# Altium PCB RF-BIG-DB5AT_v1.pcbdoc (part 3 of 7)
Units mm, origin at the board's own origin, x right, y up, seen from the top; angles counter-clockwise.
Board outline 281 x 128.57 mm, 2 copper layers (Top Layer, Bottom Layer), stack 1.671 mm thick; 500 components, 260 nets, 1552 pads, 9606 vias.
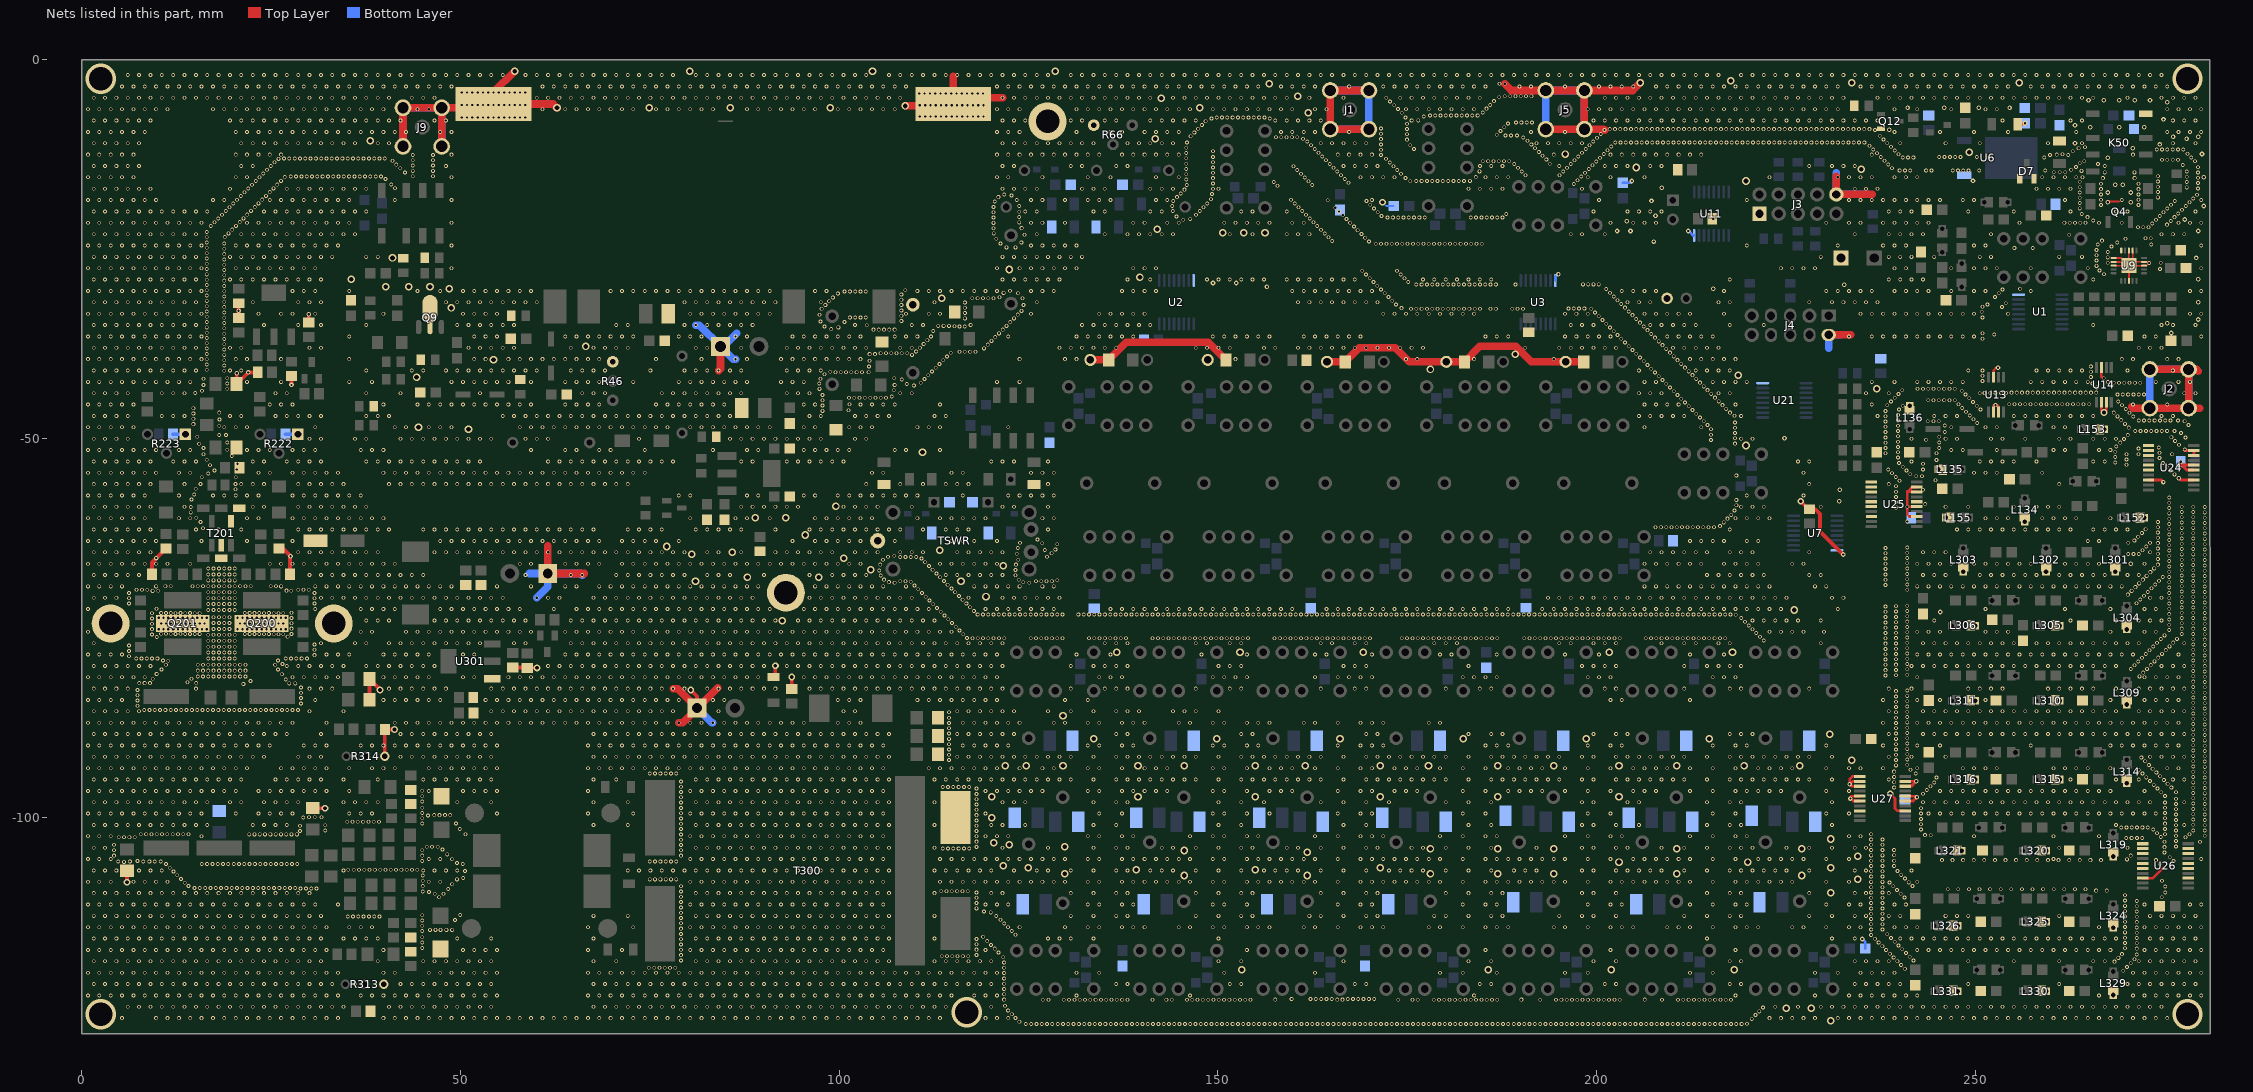
[diagram p3: the nets of this part, all layers, seen from the top]

## Via types
v1: diameter 0.5, hole 0.3, Top Layer to Bottom Layer, tented both sides, 9171 vias
v2: diameter 1, hole 0.61, Top Layer to Bottom Layer, 141 vias
v3: diameter 0.9, hole 0.5, Top Layer to Bottom Layer, 84 vias
v4: diameter 0.61, hole 0.305, Top Layer to Bottom Layer, 83 vias
v5: diameter 0.5, hole 0.3, Top Layer to Bottom Layer, tented bottom, 64 vias
v6: diameter 0.6, hole 0.3, Top Layer to Bottom Layer, 43 vias
v7: diameter 4, hole 3.1, Top Layer to Bottom Layer, 6 vias
v8: diameter 0.7, hole 0.3, Top Layer to Bottom Layer, 4 vias
v9: diameter 0.61, hole 0.306, Top Layer to Bottom Layer, 3 vias
v10: diameter 0.5, hole 0.305, Top Layer to Bottom Layer, 2 vias
v11: diameter 2, hole 1, Top Layer to Bottom Layer, 2 vias
v12: diameter 0.5, hole 0.3, Top Layer to Bottom Layer, 1 vias
v13: diameter 5, hole 3.1, Top Layer to Bottom Layer, 1 vias
v14: diameter 1, hole 0.4, Top Layer to Bottom Layer, 1 vias

## Nets (pads, with @x,y where several pads share a name; then routed paths per layer and width w, separated by ;. In a path a pad name is that pad's centre, name@x,y a point inside that pad or via, vN(x,y) a via of type N, cw(c..) or ccw(c..) an arc to the next point about the centre after c; other vN are vias at no path point) (continued)
GND: (continued)
  other v1: 124.637,-127.302 125.337,-127.302 126.037,-127.302 126.737,-127.302 127.437,-127.302 128.137,-127.302 128.837,-127.302 129.537,-127.302 130.237,-127.302 130.937,-127.302 131.637,-127.302 132.337,-127.302 133.037,-127.302 133.737,-127.302 134.437,-127.302 135.137,-127.302 135.837,-127.302 136.537,-127.302 137.237,-127.302 137.937,-127.302 138.637,-127.302 139.337,-127.302 140.037,-127.302 140.737,-127.302 141.437,-127.302 142.137,-127.302 142.837,-127.302 143.537,-127.302 144.237,-127.302 144.937,-127.302 145.637,-127.302 146.337,-127.302 147.037,-127.302 147.737,-127.302 148.437,-127.302 149.137,-127.302 149.837,-127.302 150.537,-127.302 151.237,-127.302 151.937,-127.302 152.637,-127.302 153.337,-127.302 154.037,-127.302 154.737,-127.302 155.437,-127.302 156.137,-127.302 156.837,-127.302 157.537,-127.302 158.237,-127.302 158.937,-127.302 159.637,-127.302 160.337,-127.302 161.037,-127.302 161.737,-127.302 162.437,-127.302 163.137,-127.302 163.837,-127.302 164.537,-127.302 165.237,-127.302 165.937,-127.302 166.637,-127.302 167.337,-127.302 168.037,-127.302 168.737,-127.302 169.437,-127.302 170.137,-127.302 170.837,-127.302 171.537,-127.302 172.237,-127.302 172.937,-127.302 173.637,-127.302 174.337,-127.302 175.037,-127.302 175.737,-127.302 176.437,-127.302 177.137,-127.302 177.837,-127.302 178.537,-127.302 179.237,-127.302 179.937,-127.302 180.637,-127.302 181.337,-127.302 182.037,-127.302 182.737,-127.302 183.437,-127.302 184.137,-127.302 184.837,-127.302 185.537,-127.302 186.237,-127.302 186.937,-127.302 187.637,-127.302 188.337,-127.302 189.037,-127.302 189.737,-127.302 190.437,-127.302 191.137,-127.302 191.837,-127.302 192.537,-127.302 193.237,-127.302 193.937,-127.302 194.637,-127.302 195.337,-127.302 196.037,-127.302 196.737,-127.302 197.437,-127.302 198.137,-127.302 198.837,-127.302 199.537,-127.302 200.237,-127.302 200.937,-127.302 201.637,-127.302 202.337,-127.302 203.037,-127.302 203.737,-127.302 204.437,-127.302 205.137,-127.302 205.837,-127.302 206.537,-127.302 207.237,-127.302 207.937,-127.302 208.637,-127.302 209.337,-127.302 210.037,-127.302 210.737,-127.302 211.437,-127.302 212.137,-127.302 212.837,-127.302 213.537,-127.302 214.237,-127.302 214.937,-127.302 215.637,-127.302 216.337,-127.302 217.037,-127.302 217.737,-127.302 218.437,-127.302 219.137,-127.302 219.837,-127.254 123.781,-127 220.472,-126.619 5.318,-126.522 9.818,-126.522 11.318,-126.522 12.818,-126.522 14.318,-126.522 15.818,-126.522 17.318,-126.522 18.818,-126.522 20.318,-126.522 21.818,-126.522 23.318,-126.522 24.818,-126.522 26.318,-126.522 27.818,-126.522 29.318,-126.522 30.818,-126.522 32.318,-126.522 33.818,-126.522 39.818,-126.522 41.318,-126.522 42.818,-126.522 44.318,-126.522 45.818,-126.522 47.318,-126.522 48.818,-126.522 50.318,-126.522 51.818,-126.522 53.318,-126.522 54.818,-126.522 56.318,-126.522 57.818,-126.522 59.318,-126.522 60.818,-126.522 62.318,-126.522 63.818,-126.522 65.318,-126.522 66.818,-126.522 68.318,-126.522 69.818,-126.522 71.318,-126.522 72.818,-126.522 74.318,-126.522 75.818,-126.522 77.318,-126.522 78.818,-126.522 80.318,-126.522 81.818,-126.522 83.318,-126.522 84.818,-126.522 86.318,-126.522 87.818,-126.522 89.318,-126.522 90.818,-126.522 92.318,-126.522 93.818,-126.522 95.318,-126.522 96.818,-126.522 98.318,-126.522 99.818,-126.522 101.318,-126.522 102.818,-126.522 104.318,-126.522 105.818,-126.522 107.318,-126.522 108.818,-126.522 110.318,-126.522 111.818,-126.522 113.318,-126.522 119.318,-126.522 120.818,-126.522 122.318,-126.522 123.286,-126.505 222.818,-126.522 224.318,-126.522 225.818,-126.522 227.318,-126.522 228.818,-126.522 231.818,-126.522 233.318,-126.522 234.818,-126.522 236.318,-126.522 237.818,-126.522 239.318,-126.522 240.818,-126.522 242.318,-126.522 243.818,-126.522 245.318,-126.522 246.818,-126.522 248.318,-126.522 249.818,-126.522 251.318,-126.522 252.818,-126.522 254.318,-126.522 255.818,-126.522 257.318,-126.522 258.818,-126.522 260.318,-126.522 261.818,-126.522 263.318,-126.522 264.818,-126.522 266.318,-126.522 267.818,-126.522 269.318,-126.522 270.818,-126.522 272.318,-126.522 273.818,-126.522 275.318,-126.522 220.967,-126.124 122.791,-126.01 221.462,-125.629 122.296,-125.515 221.957,-125.134 6.068,-125.022 7.568,-125.022 9.068,-125.022 10.568,-125.022 12.068,-125.022 13.568,-125.022 15.068,-125.022 16.568,-125.022 18.068,-125.022 19.568,-125.022 21.068,-125.022 22.568,-125.022 24.068,-125.022 25.568,-125.022 27.068,-125.022 28.568,-125.022 30.068,-125.022 31.568,-125.022 33.068,-125.022 34.568,-125.022 40.568,-125.022 42.068,-125.022 43.568,-125.022 45.068,-125.022 46.568,-125.022 48.068,-125.022 49.568,-125.022 51.068,-125.022 52.568,-125.022 54.068,-125.022 67.568,-125.022 69.068,-125.022 70.568,-125.022 72.068,-125.022 73.568,-125.022 75.068,-125.022 76.568,-125.022 78.068,-125.022 79.568,-125.022 81.068,-125.022 82.568,-125.022 84.068,-125.022 85.568,-125.022 87.068,-125.022 88.568,-125.022 90.068,-125.022 91.568,-125.022 93.068,-125.022 94.568,-125.022 96.068,-125.022 97.568,-125.022 99.068,-125.022 100.568,-125.022 102.068,-125.022 103.568,-125.022 105.068,-125.022 106.568,-125.022 108.068,-125.022 109.568,-125.022 111.068,-125.022 112.568,-125.022 114.068,-125.022 120.068,-125.022 223.568,-125.022 226.568,-125.022 229.568,-125.022 231.068,-125.022 232.568,-125.022 234.068,-125.022 235.568,-125.022 237.068,-125.022 238.568,-125.022 240.068,-125.022 241.568,-125.022 243.068,-125.022 244.568,-125.022 246.068,-125.022 247.568,-125.022 249.068,-125.022 250.568,-125.022 252.068,-125.022 253.568,-125.022 255.068,-125.022 256.568,-125.022 258.068,-125.022 259.568,-125.022 261.068,-125.022 262.568,-125.022 264.068,-125.022 265.568,-125.022 267.068,-125.022 268.568,-125.022 270.068,-125.022 271.568,-125.022 273.068,-125.022 274.568,-125.022 121.892,-124.893 126.873,-124.094 127.635,-124.094 129.649,-124.094 130.349,-124.094 131.049,-124.094 131.749,-124.094 132.449,-124.094 133.149,-124.094 133.849,-124.094 134.549,-124.094 135.249,-124.094 135.949,-124.094 136.649,-124.094 137.349,-124.094 138.049,-124.094 141.351,-124.094 143.191,-124.094 143.891,-124.094 145.905,-124.094 146.605,-124.094 147.305,-124.094 148.005,-124.094 148.705,-124.094 149.405,-124.094 150.105,-124.094 150.805,-124.094 151.505,-124.094 152.205,-124.094 152.905,-124.094 153.605,-124.094 154.305,-124.094 173.792,-124.094 175.679,-124.094 176.379,-124.094 178.479,-124.094 179.179,-124.094 179.879,-124.094 180.579,-124.094 181.279,-124.094 181.979,-124.094 182.679,-124.094 183.379,-124.094 184.079,-124.094 184.779,-124.094 185.479,-124.094 186.179,-124.094 186.879,-124.094 192.537,-124.094 194.637,-124.094 195.337,-124.094 196.037,-124.094 196.737,-124.094 197.437,-124.094 198.137,-124.094 198.837,-124.094 199.537,-124.094 200.237,-124.094 200.937,-124.094 201.637,-124.094 202.337,-124.094 203.037,-124.094 208.637,-124.094 210.737,-124.094 211.437,-124.094 212.137,-124.094 212.837,-124.094 213.537,-124.094 214.237,-124.094 214.937,-124.094 215.637,-124.094 216.337,-124.094 217.037,-124.094 217.737,-124.094 121.772,-124.079 157.569,-124.079 165.735,-124.079 166.435,-124.079 190.057,-124.079 206.337,-124.079 159.725,-124.008 162.224,-124.008 162.924,-124.008 163.624,-124.008 164.324,-124.008 165.024,-124.008 167.124,-124.008 167.824,-124.008 168.524,-124.008 169.224,-124.008 169.924,-124.008 170.624,-124.008 0.818,-123.522 2.318,-123.522 3.818,-123.522 5.318,-123.522 6.818,-123.522 8.318,-123.522 9.818,-123.522 11.318,-123.522 12.818,-123.522 14.318,-123.522 15.818,-123.522 17.318,-123.522 18.818,-123.522 20.318,-123.522 21.818,-123.522 23.318,-123.522 24.818,-123.522 26.318,-123.522 27.818,-123.522 29.318,-123.522 30.818,-123.522 32.318,-123.522 33.818,-123.522 36.818,-123.522 38.318,-123.522 39.818,-123.522 41.318,-123.522 42.818,-123.522 44.318,-123.522 45.818,-123.522 47.318,-123.522 48.818,-123.522 50.318,-123.522 51.818,-123.522 53.318,-123.522 54.818,-123.522 66.818,-123.522 68.318,-123.522 69.818,-123.522 71.318,-123.522 72.818,-123.522 74.318,-123.522 75.818,-123.522 77.318,-123.522 78.818,-123.522 80.318,-123.522 81.818,-123.522 83.318,-123.522 84.818,-123.522 86.318,-123.522 87.818,-123.522 89.318,-123.522 90.818,-123.522 92.318,-123.522 93.818,-123.522 95.318,-123.522 96.818,-123.522 98.318,-123.522 99.818,-123.522 101.318,-123.522 102.818,-123.522 104.318,-123.522 105.818,-123.522 107.318,-123.522 108.818,-123.522 110.318,-123.522 111.818,-123.522 113.318,-123.522 114.818,-123.522 117.818,-123.522 119.318,-123.522 120.818,-123.522 131.318,-123.522 146.318,-123.522 183.818,-123.522 218.318,-123.522 228.818,-123.522 233.318,-123.522 234.818,-123.522 236.318,-123.522 237.818,-123.522 239.318,-123.522 240.818,-123.522 242.318,-123.522 266.318,-123.522 270.818,-123.522 272.318,-123.522 273.818,-123.522 275.318,-123.522 276.818,-123.522 278.318,-123.522 279.818,-123.522 121.772,-123.379 121.772,-122.679 1.568,-122.022 3.068,-122.022 4.568,-122.022 6.068,-122.022 7.568,-122.022 9.068,-122.022 10.568,-122.022 12.068,-122.022 13.568,-122.022 15.068,-122.022 16.568,-122.022 18.068,-122.022 19.568,-122.022 21.068,-122.022 22.568,-122.022 24.068,-122.022 25.568,-122.022 27.068,-122.022 28.568,-122.022 30.068,-122.022 31.568,-122.022 33.068,-122.022 36.068,-122.022 42.068,-122.022 43.568,-122.022 45.068,-122.022 46.568,-122.022 48.068,-122.022 49.568,-122.022 51.068,-122.022 52.568,-122.022 54.068,-122.022 67.568,-122.022 69.068,-122.022 70.568,-122.022 72.068,-122.022 73.568,-122.022 75.068,-122.022 76.568,-122.022 78.068,-122.022 79.568,-122.022 81.068,-122.022 82.568,-122.022 84.068,-122.022 85.568,-122.022 87.068,-122.022 88.568,-122.022 90.068,-122.022 91.568,-122.022 93.068,-122.022 94.568,-122.022 96.068,-122.022 97.568,-122.022 99.068,-122.022 100.568,-122.022 102.068,-122.022 103.568,-122.022 105.068,-122.022 106.568,-122.022 108.068,-122.022 109.568,-122.022 111.068,-122.022 112.568,-122.022 114.068,-122.022 115.568,-122.022 117.068,-122.022 118.568,-122.022 120.068,-122.022 136.568,-122.022 138.068,-122.022 151.568,-122.022 153.068,-122.022 168.068,-122.022 169.568,-122.022 184.568,-122.022 186.068,-122.022 201.068,-122.022 202.568,-122.022 217.568,-122.022 219.068,-122.022 234.068,-122.022 235.568,-122.022 237.068,-122.022 238.568,-122.022 240.068,-122.022 249.068,-122.022 261.068,-122.022 270.068,-122.022 271.568,-122.022 273.068,-122.022 274.568,-122.022 276.068,-122.022 277.568,-122.022 279.068,-122.022 121.772,-121.979 121.772,-121.279 121.772,-120.579 0.818,-120.522 2.318,-120.522 3.818,-120.522 5.318,-120.522 6.818,-120.522 8.318,-120.522 9.818,-120.522 11.318,-120.522 12.818,-120.522 14.318,-120.522 15.818,-120.522 17.318,-120.522 18.818,-120.522 20.318,-120.522 21.818,-120.522 23.318,-120.522 24.818,-120.522 26.318,-120.522 27.818,-120.522 29.318,-120.522 30.818,-120.522 32.318,-120.522 33.818,-120.522 39.818,-120.522 41.318,-120.522 45.818,-120.522 47.318,-120.522 48.818,-120.522 50.318,-120.522 51.818,-120.522 53.318,-120.522 54.818,-120.522 66.818,-120.522 68.318,-120.522 69.818,-120.522 71.318,-120.522 72.818,-120.522 74.318,-120.522 75.818,-120.522 77.318,-120.522 78.818,-120.522 80.318,-120.522 81.818,-120.522 83.318,-120.522 84.818,-120.522 86.318,-120.522 87.818,-120.522 89.318,-120.522 90.818,-120.522 92.318,-120.522 93.818,-120.522 95.318,-120.522 96.818,-120.522 98.318,-120.522 99.818,-120.522 101.318,-120.522 102.818,-120.522 104.318,-120.522 105.818,-120.522 107.318,-120.522 108.818,-120.522 110.318,-120.522 111.818,-120.522 113.318,-120.522 114.818,-120.522 116.318,-120.522 117.818,-120.522 119.318,-120.522 120.818,-120.522 131.318,-120.522 134.318,-120.522 150.818,-120.522 162.818,-120.522 179.318,-120.522 182.318,-120.522 186.818,-120.522 195.818,-120.522 198.818,-120.522 212.318,-120.522 215.318,-120.522 228.818,-120.522 231.818,-120.522 234.818,-120.522 236.318,-120.522 237.818,-120.522 239.318,-120.522 270.818,-120.522 272.318,-120.522 273.818,-120.522 275.318,-120.522 276.818,-120.522 278.318,-120.522 279.818,-120.522 269.51,-120.27 240.688,-120.001 74.865,-119.879 75.565,-119.879 76.265,-119.879 76.965,-119.879 77.665,-119.879 78.365,-119.879 121.772,-119.879 270.005,-119.775 240.193,-119.506 270.5,-119.28 121.772,-119.179 268.377,-119.064 1.568,-119.022 3.068,-119.022 4.568,-119.022 6.068,-119.022 7.568,-119.022 9.068,-119.022 10.568,-119.022 12.068,-119.022 13.568,-119.022 15.068,-119.022 16.568,-119.022 18.068,-119.022 19.568,-119.022 21.068,-119.022 22.568,-119.022 24.068,-119.022 25.568,-119.022 27.068,-119.022 28.568,-119.022 30.068,-119.022 31.568,-119.022 39.068,-119.022 45.068,-119.022 46.568,-119.022 48.068,-119.022 49.568,-119.022 51.068,-119.022 52.568,-119.022 54.068,-119.022 67.568,-119.022 70.568,-119.022 81.068,-119.022 82.568,-119.022 84.068,-119.022 85.568,-119.022 87.068,-119.022 88.568,-119.022 90.068,-119.022 91.568,-119.022 93.068,-119.022 94.568,-119.022 96.068,-119.022 97.568,-119.022 99.068,-119.022 100.568,-119.022 102.068,-119.022 103.568,-119.022 105.068,-119.022 106.568,-119.022 112.568,-119.022 114.068,-119.022 115.568,-119.022 117.068,-119.022 118.568,-119.022 120.068,-119.022 150.068,-119.022 153.068,-119.022 166.568,-119.022 183.068,-119.022 186.068,-119.022 199.568,-119.022 202.568,-119.022 217.568,-119.022 219.068,-119.022 234.068,-119.022 235.568,-119.022 237.068,-119.022 238.568,-119.022 249.068,-119.022 255.068,-119.022 261.068,-119.022 265.568,-119.022 267.068,-119.022 271.568,-119.022 273.068,-119.022 274.568,-119.022 276.068,-119.022 277.568,-119.022 279.068,-119.022 239.698,-119.011 79.121,-118.906 241.818,-118.908 270.995,-118.745 268.872,-118.569 239.203,-118.516 121.666,-118.491 241.323,-118.413 113.523,-118.364 114.223,-118.364 114.923,-118.364 115.623,-118.364 116.323,-118.364 117.023,-118.364 79.121,-118.206 118.11,-118.178 271.29,-118.11 269.367,-118.074 238.708,-118.021 240.828,-117.918 121.034,-117.844 0.818,-117.522 2.318,-117.522 3.818,-117.522 5.318,-117.522 6.818,-117.522 8.318,-117.522 9.818,-117.522 11.318,-117.522 12.818,-117.522 14.318,-117.522 15.818,-117.522 17.318,-117.522 18.818,-117.522 20.318,-117.522 21.818,-117.522 23.318,-117.522 24.818,-117.522 26.318,-117.522 27.818,-117.522 29.318,-117.522 30.818,-117.522 32.318,-117.522 39.818,-117.522 50.318,-117.522 51.818,-117.522 53.318,-117.522 54.818,-117.522 66.818,-117.522 71.318,-117.522 80.318,-117.522 81.818,-117.522 83.318,-117.522 84.818,-117.522 86.318,-117.522 87.818,-117.522 89.318,-117.522 90.818,-117.522 92.318,-117.522 93.818,-117.522 95.318,-117.522 96.818,-117.522 98.318,-117.522 99.818,-117.522 101.318,-117.522 102.818,-117.522 104.318,-117.522 105.818,-117.522 119.318,-117.522 153.818,-117.522 185.318,-117.522 201.818,-117.522 218.318,-117.522 238.213,-117.526 242.318,-117.522 243.818,-117.522 245.318,-117.522 246.818,-117.522 248.318,-117.522 249.818,-117.522 251.318,-117.522 252.818,-117.522 254.318,-117.522 255.818,-117.522 257.318,-117.522 258.818,-117.522 260.318,-117.522 261.818,-117.522 263.318,-117.522 264.818,-117.522 266.318,-117.522 267.818,-117.522 272.318,-117.522 273.818,-117.522 275.318,-117.522 276.818,-117.522 278.318,-117.522 279.818,-117.522 79.121,-117.506 118.11,-117.478 240.333,-117.423 120.539,-117.349 271.29,-117.348 269.734,-117.301 44.958,-117.253 237.718,-117.031 239.838,-116.928 120.044,-116.854 79.121,-116.806 118.11,-116.778 271.29,-116.648 269.734,-116.601 44.958,-116.553 237.223,-116.536 239.343,-116.433 119.549,-116.359 79.121,-116.106 118.11,-116.078 236.728,-116.041 1.568,-116.022 3.068,-116.022 4.568,-116.022 6.068,-116.022 7.568,-116.022 9.068,-116.022 10.568,-116.022 12.068,-116.022 13.568,-116.022 15.068,-116.022 16.568,-116.022 18.068,-116.022 19.568,-116.022 21.068,-116.022 22.568,-116.022 24.068,-116.022 25.568,-116.022 27.068,-116.022 28.568,-116.022 30.068,-116.022 31.568,-116.022 34.568,-116.022 36.068,-116.022 37.568,-116.022 39.068,-116.022 49.568,-116.022 54.068,-116.022 67.568,-116.022 81.068,-116.022 82.568,-116.022 84.068,-116.022 85.568,-116.022 87.068,-116.022 88.568,-116.022 90.068,-116.022 91.568,-116.022 93.068,-116.022 94.568,-116.022 96.068,-116.022 97.568,-116.022 99.068,-116.022 100.568,-116.022 102.068,-116.022 103.568,-116.022 105.068,-116.022 106.568,-116.022 112.568,-116.022 127.568,-116.022 129.068,-116.022 130.568,-116.022 133.568,-116.022 150.068,-116.022 214.568,-116.022 231.068,-116.022 234.068,-116.022 240.068,-116.022 241.568,-116.022 243.068,-116.022 244.568,-116.022 246.068,-116.022 247.568,-116.022 249.068,-116.022 250.568,-116.022 252.068,-116.022 253.568,-116.022 255.068,-116.022 256.568,-116.022 258.068,-116.022 259.568,-116.022 261.068,-116.022 262.568,-116.022 264.068,-116.022 265.568,-116.022 267.068,-116.022 268.568,-116.022 273.068,-116.022 274.568,-116.022 276.068,-116.022 277.568,-116.022 279.068,-116.022 271.29,-115.948 238.848,-115.938 269.734,-115.901 44.958,-115.853 118.999,-115.782 236.233,-115.546 123.265,-115.518 238.353,-115.443 79.121,-115.406 271.29,-115.248 269.734,-115.201 44.958,-115.032 122.77,-115.023 45.974,-114.872 46.686,-114.872 47.371,-114.872 48.133,-114.872 48.895,-114.872 236.234,-114.835 237.744,-114.835 79.121,-114.706 271.29,-114.548 0.818,-114.522 2.318,-114.522 3.818,-114.522 5.318,-114.522 6.818,-114.522 8.318,-114.522 9.818,-114.522 11.318,-114.522 12.818,-114.522 14.318,-114.522 15.818,-114.522 17.318,-114.522 18.818,-114.522 20.318,-114.522 21.818,-114.522 23.318,-114.522 24.818,-114.522 26.318,-114.522 27.818,-114.522 29.318,-114.522 30.818,-114.522 32.318,-114.522 35.318,-114.522 36.818,-114.522 38.318,-114.522 66.818,-114.522 72.818,-114.522 80.318,-114.522 81.818,-114.522 83.318,-114.522 84.818,-114.522 86.318,-114.522 87.818,-114.522 89.318,-114.522 90.818,-114.522 92.318,-114.522 93.818,-114.522 95.318,-114.522 96.818,-114.522 98.318,-114.522 99.818,-114.522 101.318,-114.522 102.818,-114.522 104.318,-114.522 105.818,-114.522 122.275,-114.528 123.818,-114.522 129.818,-114.522 132.818,-114.522 134.318,-114.522 137.318,-114.522 138.818,-114.522 140.318,-114.522 144.818,-114.522 146.318,-114.522 149.318,-114.522 150.818,-114.522 153.818,-114.522 155.318,-114.522 156.818,-114.522 161.318,-114.522 162.818,-114.522 165.818,-114.522 168.818,-114.522 170.318,-114.522 171.818,-114.522 177.818,-114.522 179.318,-114.522 182.318,-114.522 185.318,-114.522 186.818,-114.522 188.318,-114.522 194.318,-114.522 195.818,-114.522 198.818,-114.522 201.818,-114.522 203.318,-114.522 204.818,-114.522 209.318,-114.522 210.818,-114.522 212.318,-114.522 215.318,-114.522 218.318,-114.522 219.818,-114.522 221.318,-114.522 225.818,-114.522 227.318,-114.522 230.318,-114.522 233.318,-114.522 234.818,-114.522 239.318,-114.522 240.818,-114.522 242.318,-114.522 266.318,-114.522 272.318,-114.522 273.818,-114.522 275.318,-114.522 276.818,-114.522 278.318,-114.522 279.818,-114.522 269.734,-114.501 44.958,-114.332 236.234,-114.135 237.744,-114.135 121.78,-114.033 79.121,-114.006 271.29,-113.848 269.734,-113.801 44.958,-113.632 49.276,-113.566 121.285,-113.538 236.234,-113.435 237.744,-113.435 79.121,-113.306 271.29,-113.148 35.105,-113.101 35.805,-113.101 36.505,-113.101 37.205,-113.101 37.905,-113.101 38.605,-113.101 39.305,-113.101 269.734,-113.101 1.568,-113.022 3.068,-113.022 4.568,-113.022 6.068,-113.022 7.568,-113.022 9.068,-113.022 10.568,-113.022 12.068,-113.022 13.568,-113.022 15.068,-113.022 16.568,-113.022 18.068,-113.022 19.568,-113.022 21.068,-113.022 22.568,-113.022 24.068,-113.022 25.568,-113.022 27.068,-113.022 28.568,-113.022 30.068,-113.022 31.568,-113.022 67.568,-113.022 72.068,-113.022 81.068,-113.022 82.568,-113.022 84.068,-113.022 85.568,-113.022 87.068,-113.022 88.568,-113.022 90.068,-113.022 91.568,-113.022 93.068,-113.022 94.568,-113.022 96.068,-113.022 97.568,-113.022 99.068,-113.022 100.568,-113.022 102.068,-113.022 103.568,-113.022 105.068,-113.022 106.568,-113.022 112.568,-113.022 120.722,-113.03 130.568,-113.022 133.568,-113.022 136.568,-113.022 138.068,-113.022 147.068,-113.022 150.068,-113.022 153.068,-113.022 154.568,-113.022 162.068,-113.022 163.568,-113.022 166.568,-113.022 169.568,-113.022 171.068,-113.022 178.568,-113.022 180.068,-113.022 183.068,-113.022 186.068,-113.022 187.568,-113.022 195.068,-113.022 198.068,-113.022 199.568,-113.022 202.568,-113.022 211.568,-113.022 214.568,-113.022 217.568,-113.022 219.068,-113.022 228.068,-113.022 231.068,-113.022 234.068,-113.022 235.568,-113.022 238.568,-113.022 240.068,-113.022 246.068,-113.022 247.568,-113.022 249.068,-113.022 261.068,-113.022 273.068,-113.022 274.568,-113.022 276.068,-113.022 277.568,-113.022 279.068,-113.022 44.958,-112.932 49.973,-112.903 236.234,-112.735 237.744,-112.735 79.121,-112.606 120.015,-112.562 119.126,-112.448 271.29,-112.448 269.734,-112.401 118.11,-112.033 236.234,-112.035 237.744,-112.035 79.121,-111.906 271.29,-111.748 269.734,-111.701 0.818,-111.522 2.318,-111.522 3.818,-111.522 5.318,-111.522 6.818,-111.522 8.318,-111.522 9.818,-111.522 11.318,-111.522 12.818,-111.522 14.318,-111.522 15.818,-111.522 17.318,-111.522 18.818,-111.522 20.318,-111.522 21.818,-111.522 23.318,-111.522 24.818,-111.522 26.318,-111.522 27.818,-111.522 29.318,-111.522 30.818,-111.522 33.818,-111.522 80.318,-111.522 81.818,-111.522 83.318,-111.522 84.818,-111.522 86.318,-111.522 87.818,-111.522 89.318,-111.522 90.818,-111.522 92.318,-111.522 93.818,-111.522 95.318,-111.522 96.818,-111.522 98.318,-111.522 99.818,-111.522 101.318,-111.522 102.818,-111.522 104.318,-111.522 105.818,-111.522 119.318,-111.522 120.818,-111.522 122.318,-111.522 132.818,-111.522 134.318,-111.522 137.318,-111.522 138.818,-111.522 149.318,-111.522 150.818,-111.522 153.818,-111.522 165.818,-111.522 168.818,-111.522 170.318,-111.522 182.318,-111.522 185.318,-111.522 186.818,-111.522 198.818,-111.522 201.818,-111.522 203.318,-111.522 212.318,-111.522 215.318,-111.522 218.318,-111.522 219.818,-111.522 230.318,-111.522 233.318,-111.522 234.818,-111.522 239.318,-111.522 240.818,-111.522 272.318,-111.522 278.318,-111.522 279.818,-111.522 118.11,-111.333 236.234,-111.335 237.744,-111.335 79.121,-111.206 271.29,-111.048 269.734,-111.001 118.11,-110.633 236.234,-110.635 237.744,-110.635 240.639,-110.591 47.179,-110.552 274.609,-110.552 79.121,-110.506 269.734,-110.301 46.609,-110.109 47.752,-110.109 240.144,-110.096 1.568,-110.022 3.068,-110.022 4.568,-110.022 6.068,-110.022 7.568,-110.022 9.068,-110.022 10.568,-110.022 12.068,-110.022 13.568,-110.022 15.068,-110.022 16.568,-110.022 18.068,-110.022 19.568,-110.022 21.068,-110.022 22.568,-110.022 24.068,-110.022 25.568,-110.022 27.068,-110.022 28.568,-110.022 30.068,-110.022 81.068,-110.022 82.568,-110.022 84.068,-110.022 85.568,-110.022 87.068,-110.022 88.568,-110.022 90.068,-110.022 91.568,-110.022 93.068,-110.022 94.568,-110.022 96.068,-110.022 97.568,-110.022 99.068,-110.022 100.568,-110.022 102.068,-110.022 103.568,-110.022 105.068,-110.022 106.568,-110.022 112.568,-110.022 120.068,-110.022 121.568,-110.022 130.568,-110.022 133.568,-110.022 136.568,-110.022 138.068,-110.022 147.068,-110.022 150.068,-110.022 153.068,-110.022 154.568,-110.022 163.568,-110.022 166.568,-110.022 169.568,-110.022 171.068,-110.022 180.068,-110.022 183.068,-110.022 186.068,-110.022 187.568,-110.022 198.068,-110.022 199.568,-110.022 202.568,-110.022 214.568,-110.022 217.568,-110.022 219.068,-110.022 228.068,-110.022 234.068,-110.022 235.568,-110.022 238.568,-110.022 118.11,-109.933 236.234,-109.935 237.744,-109.935 275.062,-109.935 45.847,-109.858 45.024,-109.796 79.121,-109.806 113.467,-109.774 114.167,-109.774 114.867,-109.774 115.567,-109.774 116.267,-109.774 116.967,-109.774 265.935,-109.692 267.335,-109.692 239.649,-109.601 246.341,-109.518 247.741,-109.518 249.141,-109.518 250.541,-109.518 251.941,-109.518 253.341,-109.518 254.741,-109.518 256.141,-109.518 257.541,-109.518 258.941,-109.518 260.341,-109.518 261.741,-109.518 263.141,-109.518 264.541,-109.518 48.387,-109.474 28.888,-109.422 29.588,-109.422 30.288,-109.422 30.988,-109.422 14.888,-109.347 15.588,-109.347 16.288,-109.347 16.988,-109.347 17.688,-109.347 18.388,-109.347 19.088,-109.347 19.788,-109.347 20.488,-109.347 21.188,-109.347 21.888,-109.347 22.588,-109.347 23.288,-109.347 23.988,-109.347 24.688,-109.347 25.388,-109.347 26.088,-109.347 26.788,-109.347 27.488,-109.347 28.188,-109.347 236.234,-109.235 237.744,-109.235 275.062,-109.16 79.121,-109.106 239.154,-109.106 14.097,-109.093 45.024,-109.096 241.681,-109.093 48.895,-108.839 13.587,-108.645 238.659,-108.611 241.186,-108.598 0.818,-108.522 2.318,-108.522 3.818,-108.522 6.818,-108.522 8.318,-108.522 9.818,-108.522 11.318,-108.522 45.818,-108.522 47.318,-108.522 80.318,-108.522 81.818,-108.522 83.318,-108.522 84.818,-108.522 86.318,-108.522 87.818,-108.522 89.318,-108.522 90.818,-108.522 92.318,-108.522 93.818,-108.522 95.318,-108.522 96.818,-108.522 98.318,-108.522 99.818,-108.522 101.318,-108.522 102.818,-108.522 104.318,-108.522 105.818,-108.522 113.318,-108.522 114.818,-108.522 116.318,-108.522 117.818,-108.522 119.318,-108.522 120.818,-108.522 122.318,-108.522 123.818,-108.522 125.318,-108.522 126.818,-108.522 128.318,-108.522 129.818,-108.522 132.818,-108.522 134.318,-108.522 137.318,-108.522 138.818,-108.522 140.318,-108.522 141.818,-108.522 143.318,-108.522 144.818,-108.522 146.318,-108.522 149.318,-108.522 150.818,-108.522 153.818,-108.522 155.318,-108.522 156.818,-108.522 158.318,-108.522 159.818,-108.522 161.318,-108.522 162.818,-108.522 165.818,-108.522 168.818,-108.522 170.318,-108.522 171.818,-108.522 173.318,-108.522 174.818,-108.522 176.318,-108.522 177.818,-108.522 179.318,-108.522 182.318,-108.522 185.318,-108.522 186.818,-108.522 188.318,-108.522 189.818,-108.522 191.318,-108.522 192.818,-108.522 194.318,-108.522 195.818,-108.522 198.818,-108.522 201.818,-108.522 203.318,-108.522 204.818,-108.522 206.318,-108.522 207.818,-108.522 209.318,-108.522 210.818,-108.522 212.318,-108.522 215.318,-108.522 218.318,-108.522 219.818,-108.522 221.318,-108.522 222.818,-108.522 224.318,-108.522 225.818,-108.522 230.318,-108.522 233.318,-108.522 236.234,-108.535 237.744,-108.535 242.318,-108.522 45.024,-108.396 274.639,-108.396 49.53,-108.204 74.986,-108.204 75.686,-108.204 76.386,-108.204 77.086,-108.204 77.786,-108.204 78.486,-108.204 13.092,-108.15 240.691,-108.103 50.354,-108.022 236.234,-107.835 237.744,-107.835 45.024,-107.696 12.597,-107.655 240.196,-107.608 12.102,-107.16 236.234,-107.135 237.744,-107.135 239.701,-107.113 50.607,-107.084 1.568,-107.022 3.068,-107.022 4.568,-107.022 7.568,-107.022 9.068,-107.022 10.568,-107.022 34.568,-107.022 45.068,-107.022 46.568,-107.022 48.068,-107.022 49.568,-107.022 72.068,-107.022 73.568,-107.022 75.068,-107.022 76.568,-107.022 78.068,-107.022 79.568,-107.022 81.068,-107.022 82.568,-107.022 84.068,-107.022 85.568,-107.022 87.068,-107.022 88.568,-107.022 90.068,-107.022 91.568,-107.022 93.068,-107.022 94.568,-107.022 96.068,-107.022 97.568,-107.022 99.068,-107.022 100.568,-107.022 102.068,-107.022 103.568,-107.022 105.068,-107.022 106.568,-107.022 112.568,-107.022 114.068,-107.022 115.568,-107.022 117.068,-107.022 118.568,-107.022 120.068,-107.022 123.068,-107.022 126.068,-107.022 127.568,-107.022 130.568,-107.022 133.568,-107.022 136.568,-107.022 138.068,-107.022 141.068,-107.022 142.568,-107.022 144.068,-107.022 147.068,-107.022 150.068,-107.022 153.068,-107.022 156.068,-107.022 157.568,-107.022 159.068,-107.022 160.568,-107.022 163.568,-107.022 166.568,-107.022 169.568,-107.022 172.568,-107.022 174.068,-107.022 175.568,-107.022 177.068,-107.022 180.068,-107.022 183.068,-107.022 186.068,-107.022 189.068,-107.022 190.568,-107.022 192.068,-107.022 198.068,-107.022 199.568,-107.022 202.568,-107.022 204.068,-107.022 205.568,-107.022 207.068,-107.022 208.568,-107.022 211.568,-107.022 214.568,-107.022 217.568,-107.022 219.068,-107.022 220.568,-107.022 222.068,-107.022 223.568,-107.022 225.068,-107.022 228.068,-107.022 234.068,-107.022 235.568,-107.022 241.568,-107.022 35.193,-106.934 35.893,-106.934 36.593,-106.934 37.293,-106.934 37.993,-106.934 38.693,-106.934 39.393,-106.934 40.093,-106.934 40.793,-106.934 41.493,-106.934 42.193,-106.934 42.893,-106.934 43.593,-106.934 44.293,-106.934 11.607,-106.665 236.234,-106.435 237.744,-106.435 239.268,-106.432 11.112,-106.17 15.851,-106.172 16.551,-106.172 17.251,-106.172 17.951,-106.172 18.651,-106.172 19.351,-106.172 20.051,-106.172 20.751,-106.172 21.451,-106.172 22.151,-106.172 22.851,-106.172 23.551,-106.172 24.251,-106.172 24.951,-106.172 25.651,-106.172 26.351,-106.172 27.051,-106.172 27.751,-106.172 28.451,-106.172 50.292,-106.17 274.333,-106.159 49.53,-106.045 5.588,-105.892 4.826,-105.856 6.35,-105.856 8.128,-105.856 8.926,-105.856 9.632,-105.856 10.414,-105.856 74.986,-105.856 75.686,-105.856 76.386,-105.856 77.086,-105.856 77.786,-105.856 78.486,-105.856 276.138,-105.791 7.369,-105.768 44.958,-105.768 236.234,-105.735 237.744,-105.735 239.268,-105.732 245.577,-105.664 246.977,-105.664 248.377,-105.664 249.777,-105.664 251.177,-105.664 252.577,-105.664 253.977,-105.664 255.377,-105.664 256.777,-105.664 258.177,-105.664 259.577,-105.664 260.977,-105.664 262.377,-105.664 263.777,-105.664 265.177,-105.664 266.577,-105.664 273.838,-105.664 270.002,-105.563 48.895,-105.537 0.818,-105.522 2.318,-105.522 3.818,-105.522 45.818,-105.522 47.318,-105.522 80.318,-105.522 81.818,-105.522 83.318,-105.522 84.818,-105.522 86.318,-105.522 87.818,-105.522 89.318,-105.522 90.818,-105.522 92.318,-105.522 93.818,-105.522 95.318,-105.522 96.818,-105.522 98.318,-105.522 99.818,-105.522 101.318,-105.522 102.818,-105.522 104.318,-105.522 105.818,-105.522 113.318,-105.522 114.818,-105.522 116.318,-105.522 117.818,-105.522 119.318,-105.522 120.818,-105.522 122.318,-105.522 123.818,-105.522 125.318,-105.522 126.818,-105.522 128.318,-105.522 129.818,-105.522 132.818,-105.522 134.318,-105.522 137.318,-105.522 138.818,-105.522 140.318,-105.522 141.818,-105.522 143.318,-105.522 144.818,-105.522 146.318,-105.522 149.318,-105.522 150.818,-105.522 153.818,-105.522 155.318,-105.522 156.818,-105.522 158.318,-105.522 159.818,-105.522 161.318,-105.522 162.818,-105.522 165.818,-105.522 168.818,-105.522 170.318,-105.522 171.818,-105.522 173.318,-105.522 174.818,-105.522 176.318,-105.522 177.818,-105.522 179.318,-105.522 182.318,-105.522 185.318,-105.522 186.818,-105.522 188.318,-105.522 189.818,-105.522 191.318,-105.522 192.818,-105.522 194.318,-105.522 195.818,-105.522 198.818,-105.522 201.818,-105.522 204.818,-105.522 206.318,-105.522 207.818,-105.522 209.318,-105.522 210.818,-105.522 212.318,-105.522 215.318,-105.522 218.318,-105.522 221.318,-105.522 222.818,-105.522 224.318,-105.522 225.818,-105.522 227.318,-105.522 230.318,-105.522 233.318,-105.522 260.318,-105.522 279.818,-105.522 275.643,-105.296 4.268,-105.068 44.958,-105.068 79.121,-105.068 270.497,-105.068 236.234,-105.035 237.744,-105.035 239.268,-105.032 48.26,-104.902 274.955,-104.648 4.268,-104.368 44.958,-104.368 79.121,-104.368 236.234,-104.335 237.744,-104.335 239.268,-104.332 47.625,-104.267 113.665,-104.14 114.365,-104.14 115.065,-104.14 115.765,-104.14 116.465,-104.14 117.165,-104.14 1.568,-104.022 3.068,-104.022 81.068,-104.022 82.568,-104.022 84.068,-104.022 85.568,-104.022 87.068,-104.022 88.568,-104.022 90.068,-104.022 91.568,-104.022 93.068,-104.022 94.568,-104.022 96.068,-104.022 97.568,-104.022 99.068,-104.022 100.568,-104.022 102.068,-104.022 103.568,-104.022 105.068,-104.022 106.568,-104.022 112.568,-104.022 121.568,-104.022 127.568,-104.022 133.568,-104.022 136.568,-104.022 138.068,-104.022 142.568,-104.022 144.068,-104.022 147.068,-104.022 150.068,-104.022 153.068,-104.022 154.568,-104.022 159.068,-104.022 160.568,-104.022 163.568,-104.022 166.568,-104.022 169.568,-104.022 171.068,-104.022 175.568,-104.022 177.068,-104.022 180.068,-104.022 183.068,-104.022 186.068,-104.022 192.068,-104.022 198.068,-104.022 199.568,-104.022 202.568,-104.022 204.068,-104.022 208.568,-104.022 211.568,-104.022 214.568,-104.022 217.568,-104.022 219.068,-104.022 220.568,-104.022 225.068,-104.022 228.068,-104.022 231.068,-104.022 234.068,-104.022 235.568,-104.022 261.068,-104.022 270.068,-104.022 274.955,-103.948 118.11,-103.921 45.557,-103.886 46.228,-103.886 46.99,-103.886 276.479,-103.852 79.121,-103.668 4.268,-103.635 236.234,-103.635 237.744,-103.635 274.955,-103.248 279.654,-103.251 118.11,-103.221 276.479,-103.152 79.121,-102.968 236.234,-102.935 237.744,-102.935 269.924,-102.757 270.624,-102.757 271.324,-102.757 272.024,-102.757 4.885,-102.641 5.585,-102.641 6.285,-102.641 6.985,-102.641 277.749,-102.641 274.46,-102.612 0.818,-102.522 2.318,-102.522 3.818,-102.522 15.818,-102.522 80.318,-102.522 81.818,-102.522 83.318,-102.522 84.818,-102.522 86.318,-102.522 87.818,-102.522 89.318,-102.522 90.818,-102.522 92.318,-102.522 93.818,-102.522 95.318,-102.522 96.818,-102.522 98.318,-102.522 99.818,-102.522 101.318,-102.522 102.818,-102.522 104.318,-102.522 105.818,-102.522 118.11,-102.521 119.318,-102.522 120.818,-102.522 122.318,-102.522 132.818,-102.522 134.318,-102.522 137.318,-102.522 138.818,-102.522 146.318,-102.522 149.318,-102.522 150.818,-102.522 153.818,-102.522 155.318,-102.522 162.818,-102.522 165.818,-102.522 168.818,-102.522 170.318,-102.522 171.818,-102.522 179.318,-102.522 182.318,-102.522 185.318,-102.522 186.818,-102.522 195.818,-102.522 198.818,-102.522 201.818,-102.522 203.318,-102.522 212.318,-102.522 215.318,-102.522 218.318,-102.522 219.818,-102.522 233.318,-102.522 234.818,-102.522 249.818,-102.522 260.318,-102.522 266.318,-102.522 276.479,-102.452 280.289,-102.452 244.094,-102.384 243.332,-102.362 22.098,-102.265 22.798,-102.265 23.498,-102.265 24.198,-102.265 24.898,-102.265 25.598,-102.265 26.298,-102.265 26.998,-102.265 27.698,-102.265 28.398,-102.265 79.121,-102.268 7.797,-102.235 8.497,-102.235 9.197,-102.235 9.897,-102.235 10.597,-102.235 11.297,-102.235 11.997,-102.235 12.697,-102.235 13.397,-102.235 14.097,-102.235 50.673,-102.235 236.234,-102.235 275.026,-102.244 278.257,-102.247 273.965,-102.117 28.805,-101.821 118.11,-101.821 32.134,-101.752 276.479,-101.752 278.752,-101.752 280.289,-101.752 242.824,-101.622 273.47,-101.622 49.911,-101.568 79.121,-101.568 275.026,-101.544 269.241,-101.346 269.941,-101.346 270.641,-101.346 271.341,-101.346 272.041,-101.346 272.741,-101.346 28.805,-101.121 118.11,-101.121 32.134,-101.052 276.479,-101.052 280.289,-101.052 1.568,-101.022 3.068,-101.022 4.568,-101.022 6.068,-101.022 7.568,-101.022 9.068,-101.022 10.568,-101.022 12.068,-101.022 13.568,-101.022 15.068,-101.022 16.568,-101.022 22.568,-101.022 24.068,-101.022 25.568,-101.022 27.068,-101.022 67.568,-101.022 72.068,-101.022 81.068,-101.022 82.568,-101.022 84.068,-101.022 85.568,-101.022 87.068,-101.022 88.568,-101.022 90.068,-101.022 91.568,-101.022 93.068,-101.022 94.568,-101.022 96.068,-101.022 97.568,-101.022 99.068,-101.022 100.568,-101.022 102.068,-101.022 103.568,-101.022 105.068,-101.022 106.568,-101.022 112.568,-101.022 120.068,-101.022 121.568,-101.022 124.568,-101.022 133.568,-101.022 136.568,-101.022 150.068,-101.022 153.068,-101.022 166.568,-101.022 169.568,-101.022 183.068,-101.022 186.068,-101.022 198.068,-101.022 199.568,-101.022 202.568,-101.022 205.568,-101.022 214.568,-101.022 217.568,-101.022 219.068,-101.022 231.068,-101.022 268.568,-101.022 277.568,-101.022 278.765,-100.999 242.824,-100.922 79.121,-100.868 44.958,-100.838 49.403,-100.838 275.026,-100.844 35.043,-100.584 35.743,-100.584 36.443,-100.584 37.143,-100.584 37.843,-100.584 38.543,-100.584 39.243,-100.584 118.11,-100.421 276.479,-100.352 280.289,-100.352 278.765,-100.299 242.824,-100.222 79.121,-100.168 275.026,-100.144 44.958,-100.138 29.244,-100.039 29.994,-100.002 30.768,-100.002 31.634,-100.002 45.72,-99.784 46.541,-99.721 47.241,-99.721 47.941,-99.721 48.641,-99.721 118.11,-99.721 276.479,-99.652 280.289,-99.652 278.765,-99.599 0.818,-99.522 2.318,-99.522 3.818,-99.522 5.318,-99.522 6.818,-99.522 8.318,-99.522 9.818,-99.522 11.318,-99.522 12.818,-99.522 14.318,-99.522 15.818,-99.522 20.318,-99.522 23.318,-99.522 24.818,-99.522 26.318,-99.522 27.818,-99.522 35.318,-99.522 36.818,-99.522 38.318,-99.522 54.818,-99.522 66.818,-99.522 72.818,-99.522 80.318,-99.522 81.818,-99.522 83.318,-99.522 84.818,-99.522 86.318,-99.522 87.818,-99.522 89.318,-99.522 90.818,-99.522 92.318,-99.522 93.818,-99.522 95.318,-99.522 96.818,-99.522 98.318,-99.522 99.818,-99.522 101.318,-99.522 102.818,-99.522 104.318,-99.522 105.818,-99.522 119.318,-99.522 134.318,-99.522 137.318,-99.522 149.318,-99.522 150.818,-99.522 153.818,-99.522 156.818,-99.522 165.818,-99.522 168.818,-99.522 170.318,-99.522 182.318,-99.522 185.318,-99.522 198.818,-99.522 201.818,-99.522 215.318,-99.522 218.318,-99.522 230.318,-99.522 233.318,-99.522 242.824,-99.522 243.818,-99.522 245.318,-99.522 246.818,-99.522 248.318,-99.522 249.818,-99.522 251.318,-99.522 252.818,-99.522 254.318,-99.522 255.818,-99.522 257.318,-99.522 258.818,-99.522 260.318,-99.522 261.818,-99.522 263.318,-99.522 264.818,-99.522 266.318,-99.522 267.818,-99.522 269.318,-99.522 270.818,-99.522 272.318,-99.522 273.818,-99.522 79.121,-99.468 44.958,-99.438 275.026,-99.444 118.11,-99.021 276.479,-98.952 280.289,-98.952 278.765,-98.899 242.824,-98.822 79.121,-98.768 275.026,-98.744 44.958,-98.738 118.11,-98.321 276.479,-98.252 280.289,-98.252 278.765,-98.199 79.121,-98.068 275.026,-98.044 1.568,-98.022 3.068,-98.022 4.568,-98.022 6.068,-98.022 7.568,-98.022 9.068,-98.022 10.568,-98.022 12.068,-98.022 13.568,-98.022 15.068,-98.022 16.568,-98.022 19.568,-98.022 21.068,-98.022 24.068,-98.022 25.568,-98.022 27.068,-98.022 28.568,-98.022 34.568,-98.022 36.068,-98.022 37.568,-98.022 39.068,-98.022 49.568,-98.022 54.068,-98.022 67.568,-98.022 72.068,-98.022 81.068,-98.022 82.568,-98.022 84.068,-98.022 85.568,-98.022 87.068,-98.022 88.568,-98.022 90.068,-98.022 91.568,-98.022 93.068,-98.022 94.568,-98.022 96.068,-98.022 97.568,-98.022 99.068,-98.022 100.568,-98.022 102.068,-98.022 103.568,-98.022 105.068,-98.022 106.568,-98.022 112.568,-98.022 121.568,-98.022 123.068,-98.022 124.568,-98.022 133.568,-98.022 136.568,-98.022 138.068,-98.022 150.068,-98.022 153.068,-98.022 156.068,-98.022 163.568,-98.022 166.568,-98.022 169.568,-98.022 172.568,-98.022 180.068,-98.022 183.068,-98.022 186.068,-98.022 198.068,-98.022 199.568,-98.022 204.068,-98.022 205.568,-98.022 214.568,-98.022 217.568,-98.022 219.068,-98.022 231.068,-98.022 243.068,-98.022 244.568,-98.022 246.068,-98.022 247.568,-98.022 249.068,-98.022 250.568,-98.022 252.068,-98.022 253.568,-98.022 255.068,-98.022 256.568,-98.022 258.068,-98.022 259.568,-98.022 261.068,-98.022 262.568,-98.022 264.068,-98.022 265.568,-98.022 267.068,-98.022 268.568,-98.022 270.068,-98.022 271.568,-98.022 273.068,-98.022 277.568,-98.022 44.958,-97.917 118.11,-97.621 276.479,-97.552 280.289,-97.552 278.765,-97.499 79.121,-97.368 44.958,-97.217 275.026,-97.211 118.11,-96.921 243.078,-96.901 280.289,-96.852 278.765,-96.799 274.531,-96.716 276.479,-96.716 79.121,-96.668 0.818,-96.522 2.318,-96.522 3.818,-96.522 5.318,-96.522 6.818,-96.522 8.318,-96.522 9.818,-96.522 11.318,-96.522 12.818,-96.522 14.318,-96.522 15.818,-96.522 17.318,-96.522 18.818,-96.522 20.318,-96.522 23.318,-96.522 24.818,-96.522 26.318,-96.522 27.818,-96.522 29.318,-96.522 30.818,-96.522 32.318,-96.522 35.318,-96.522 44.958,-96.517 45.818,-96.522 50.318,-96.522 51.818,-96.522 53.318,-96.522 54.818,-96.522 66.818,-96.522 80.318,-96.522 81.818,-96.522 83.318,-96.522 84.818,-96.522 86.318,-96.522 87.818,-96.522 89.318,-96.522 90.818,-96.522 92.318,-96.522 93.818,-96.522 95.318,-96.522 96.818,-96.522 98.318,-96.522 99.818,-96.522 101.318,-96.522 102.818,-96.522 104.318,-96.522 105.818,-96.522 119.318,-96.522 120.818,-96.522 122.318,-96.522 123.818,-96.522 125.318,-96.522 126.818,-96.522 132.818,-96.522 134.318,-96.522 137.318,-96.522 138.818,-96.522 140.318,-96.522 141.818,-96.522 143.318,-96.522 149.318,-96.522 150.818,-96.522 153.818,-96.522 156.818,-96.522 158.318,-96.522 159.818,-96.522 165.818,-96.522 168.818,-96.522 170.318,-96.522 173.318,-96.522 174.818,-96.522 176.318,-96.522 182.318,-96.522 185.318,-96.522 188.318,-96.522 189.818,-96.522 191.318,-96.522 192.818,-96.522 195.818,-96.522 198.818,-96.522 201.818,-96.522 204.818,-96.522 206.318,-96.522 207.818,-96.522 212.318,-96.522 215.318,-96.522 218.318,-96.522 219.818,-96.522 221.318,-96.522 222.818,-96.522 224.318,-96.522 230.318,-96.522 233.318,-96.522 245.318,-96.522 246.818,-96.522 248.318,-96.522 249.818,-96.522 251.318,-96.522 252.818,-96.522 254.318,-96.522 255.818,-96.522 257.318,-96.522 258.818,-96.522 260.318,-96.522 261.818,-96.522 263.318,-96.522 264.818,-96.522 266.318,-96.522 267.818,-96.522 272.318,-96.522 243.573,-96.406 118.11,-96.221 274.036,-96.221 280.289,-96.152 239.268,-96.08 275.871,-96.08 278.765,-96.099 113.665,-96.012 114.365,-96.012 115.065,-96.012 115.765,-96.012 116.465,-96.012 117.165,-96.012 79.121,-95.968 244.068,-95.911 273.541,-95.726 275.376,-95.585 280.289,-95.452 244.563,-95.416 278.765,-95.399 239.268,-95.38 79.121,-95.268 273.046,-95.231 274.881,-95.09 1.568,-95.022 3.068,-95.022 4.568,-95.022 6.068,-95.022 7.568,-95.022 9.068,-95.022 10.568,-95.022 12.068,-95.022 13.568,-95.022 15.068,-95.022 16.568,-95.022 18.068,-95.022 19.568,-95.022 21.068,-95.022 25.568,-95.022 27.068,-95.022 28.568,-95.022 30.068,-95.022 31.568,-95.022 34.568,-95.022 39.068,-95.022 45.068,-95.022 46.568,-95.022 48.068,-95.022 49.568,-95.022 51.068,-95.022 52.568,-95.022 54.068,-95.022 67.568,-95.022 70.568,-95.022 81.068,-95.022 82.568,-95.022 84.068,-95.022 85.568,-95.022 87.068,-95.022 88.568,-95.022 90.068,-95.022 91.568,-95.022 93.068,-95.022 94.568,-95.022 96.068,-95.022 97.568,-95.022 99.068,-95.022 100.568,-95.022 102.068,-95.022 103.568,-95.022 105.068,-95.022 106.568,-95.022 112.568,-95.022 114.068,-95.022 115.568,-95.022 117.068,-95.022 118.568,-95.022 120.068,-95.022 121.568,-95.022 123.068,-95.022 124.568,-95.022 126.068,-95.022 127.568,-95.022 129.068,-95.022 130.568,-95.022 133.568,-95.022 136.568,-95.022 138.068,-95.022 139.568,-95.022 141.068,-95.022 142.568,-95.022 144.068,-95.022 145.568,-95.022 147.068,-95.022 150.068,-95.022 153.068,-95.022 154.568,-95.022 156.068,-95.022 157.568,-95.022 159.068,-95.022 160.568,-95.022 162.068,-95.022 163.568,-95.022 166.568,-95.022 169.568,-95.022 171.068,-95.022 172.568,-95.022 174.068,-95.022 175.568,-95.022 177.068,-95.022 178.568,-95.022 180.068,-95.022 183.068,-95.022 186.068,-95.022 187.568,-95.022 189.068,-95.022 190.568,-95.022 192.068,-95.022 193.568,-95.022 195.068,-95.022 198.068,-95.022 199.568,-95.022 202.568,-95.022 204.068,-95.022 205.568,-95.022 207.068,-95.022 208.568,-95.022 210.068,-95.022 211.568,-95.022 214.568,-95.022 217.568,-95.022 219.068,-95.022 220.568,-95.022 222.068,-95.022 223.568,-95.022 225.068,-95.022 226.568,-95.022 228.068,-95.022 231.068,-95.022 238.568,-95.022 262.568,-95.022 268.568,-95.022 271.568,-95.022 276.068,-95.022 277.568,-95.022 244.856,-94.742 272.551,-94.736 280.289,-94.752 239.268,-94.68 278.765,-94.699 274.386,-94.595 74.986,-94.241 75.686,-94.241 76.386,-94.241 77.086,-94.241 77.786,-94.241 78.486,-94.241 242.118,-94.234 272.056,-94.241 273.891,-94.1 280.289,-94.052 278.765,-93.999 239.268,-93.98 271.561,-93.746 241.427,-93.726 273.396,-93.605 0.818,-93.522 2.318,-93.522 3.818,-93.522 5.318,-93.522 6.818,-93.522 8.318,-93.522 9.818,-93.522 11.318,-93.522 12.818,-93.522 14.318,-93.522 15.818,-93.522 17.318,-93.522 18.818,-93.522 20.318,-93.522 21.818,-93.522 26.318,-93.522 27.818,-93.522 29.318,-93.522 30.818,-93.522 32.318,-93.522 35.318,-93.522 38.318,-93.522 39.818,-93.522 41.318,-93.522 45.818,-93.522 47.318,-93.522 48.818,-93.522 50.318,-93.522 51.818,-93.522 53.318,-93.522 54.818,-93.522 66.818,-93.522 68.318,-93.522 69.818,-93.522 71.318,-93.522 72.818,-93.522 74.318,-93.522 75.818,-93.522 77.318,-93.522 78.818,-93.522 80.318,-93.522 81.818,-93.522 83.318,-93.522 84.818,-93.522 86.318,-93.522 87.818,-93.522 89.318,-93.522 90.818,-93.522 92.318,-93.522 93.818,-93.522 95.318,-93.522 96.818,-93.522 98.318,-93.522 99.818,-93.522 101.318,-93.522 102.818,-93.522 104.318,-93.522 105.818,-93.522 111.818,-93.522 113.318,-93.522 114.818,-93.522 116.318,-93.522 117.818,-93.522 119.318,-93.522 120.818,-93.522 123.818,-93.522 126.818,-93.522 128.318,-93.522 132.818,-93.522 134.318,-93.522 137.318,-93.522 140.318,-93.522 141.818,-93.522 143.318,-93.522 149.318,-93.522 150.818,-93.522 153.818,-93.522 156.818,-93.522 158.318,-93.522 159.818,-93.522 162.818,-93.522 165.818,-93.522 168.818,-93.522 170.318,-93.522 173.318,-93.522 174.818,-93.522 176.318,-93.522 179.318,-93.522 182.318,-93.522 185.318,-93.522 188.318,-93.522 189.818,-93.522 191.318,-93.522 192.818,-93.522 195.818,-93.522 198.818,-93.522 201.818,-93.522 204.818,-93.522 206.318,-93.522 207.818,-93.522 209.318,-93.522 212.318,-93.522 215.318,-93.522 218.318,-93.522 221.318,-93.522 222.818,-93.522 224.318,-93.522 225.818,-93.522 230.318,-93.522 233.318,-93.522 234.818,-93.522 237.818,-93.522 242.318,-93.522 248.318,-93.522 249.818,-93.522 251.318,-93.522 252.818,-93.522 260.318,-93.522 261.818,-93.522 263.318,-93.522 264.818,-93.522 267.818,-93.522 275.318,-93.522 276.818,-93.522 280.289,-93.352 278.765,-93.299 239.522,-93.153 272.901,-93.11 240.99,-93.077 280.289,-92.652 272.406,-92.615 278.765,-92.599 114.482,-92.453 239.522,-92.453 240.99,-92.377 271.911,-92.12 1.568,-92.022 3.068,-92.022 4.568,-92.022 6.068,-92.022 7.568,-92.022 9.068,-92.022 10.568,-92.022 12.068,-92.022 13.568,-92.022 15.068,-92.022 16.568,-92.022 18.068,-92.022 19.568,-92.022 21.068,-92.022 22.568,-92.022 24.068,-92.022 28.568,-92.022 30.068,-92.022 31.568,-92.022 36.068,-92.022 42.068,-92.022 43.568,-92.022 45.068,-92.022 46.568,-92.022 48.068,-92.022 49.568,-92.022 51.068,-92.022 52.568,-92.022 54.068,-92.022 67.568,-92.022 69.068,-92.022 70.568,-92.022 72.068,-92.022 73.568,-92.022 75.068,-92.022 76.568,-92.022 78.068,-92.022 79.568,-92.022 81.068,-92.022 82.568,-92.022 84.068,-92.022 85.568,-92.022 87.068,-92.022 88.568,-92.022 90.068,-92.022 91.568,-92.022 93.068,-92.022 94.568,-92.022 96.068,-92.022 97.568,-92.022 99.068,-92.022 100.568,-92.022 102.068,-92.022 103.568,-92.022 105.068,-92.022 106.568,-92.022 115.568,-92.022 117.068,-92.022 118.568,-92.022 120.068,-92.022 121.568,-92.022 123.068,-92.022 124.568,-92.022 126.068,-92.022 127.568,-92.022 129.068,-92.022 130.568,-92.022 133.568,-92.022 136.568,-92.022 138.068,-92.022 139.568,-92.022 141.068,-92.022 142.568,-92.022 144.068,-92.022 145.568,-92.022 147.068,-92.022 150.068,-92.022 153.068,-92.022 154.568,-92.022 156.068,-92.022 157.568,-92.022 159.068,-92.022 160.568,-92.022 162.068,-92.022 163.568,-92.022 166.568,-92.022 169.568,-92.022 171.068,-92.022 172.568,-92.022 174.068,-92.022 175.568,-92.022 177.068,-92.022 178.568,-92.022 180.068,-92.022 183.068,-92.022 186.068,-92.022 187.568,-92.022 189.068,-92.022 190.568,-92.022 192.068,-92.022 193.568,-92.022 195.068,-92.022 198.068,-92.022 199.568,-92.022 202.568,-92.022 204.068,-92.022 205.568,-92.022 207.068,-92.022 208.568,-92.022 210.068,-92.022 211.568,-92.022 214.568,-92.022 217.568,-92.022 219.068,-92.022 220.568,-92.022 222.068,-92.022 223.568,-92.022 225.068,-92.022 226.568,-92.022 228.068,-92.022 231.068,-92.022 238.568,-92.022 241.568,-92.022 246.068,-92.022 273.068,-92.022 274.568,-92.022 276.068,-92.022 277.568,-92.022 280.289,-91.952 278.765,-91.899 114.482,-91.753 239.522,-91.753 240.99,-91.677 280.289,-91.252 278.765,-91.199 114.482,-91.053 239.522,-91.053 240.99,-90.977 280.289,-90.552 0.818,-90.522 2.318,-90.522 3.818,-90.522 5.318,-90.522 6.818,-90.522 8.318,-90.522 9.818,-90.522 11.318,-90.522 12.818,-90.522 14.318,-90.522 15.818,-90.522 17.318,-90.522 18.818,-90.522 20.318,-90.522 21.818,-90.522 23.318,-90.522 24.818,-90.522 29.318,-90.522 30.818,-90.522 32.318,-90.522 36.818,-90.522 38.318,-90.522 39.818,-90.522 41.318,-90.522 42.818,-90.522 44.318,-90.522 45.818,-90.522 47.318,-90.522 48.818,-90.522 50.318,-90.522 51.818,-90.522 53.318,-90.522